# KiCad board Leonhart.kicad_pcb (continued)
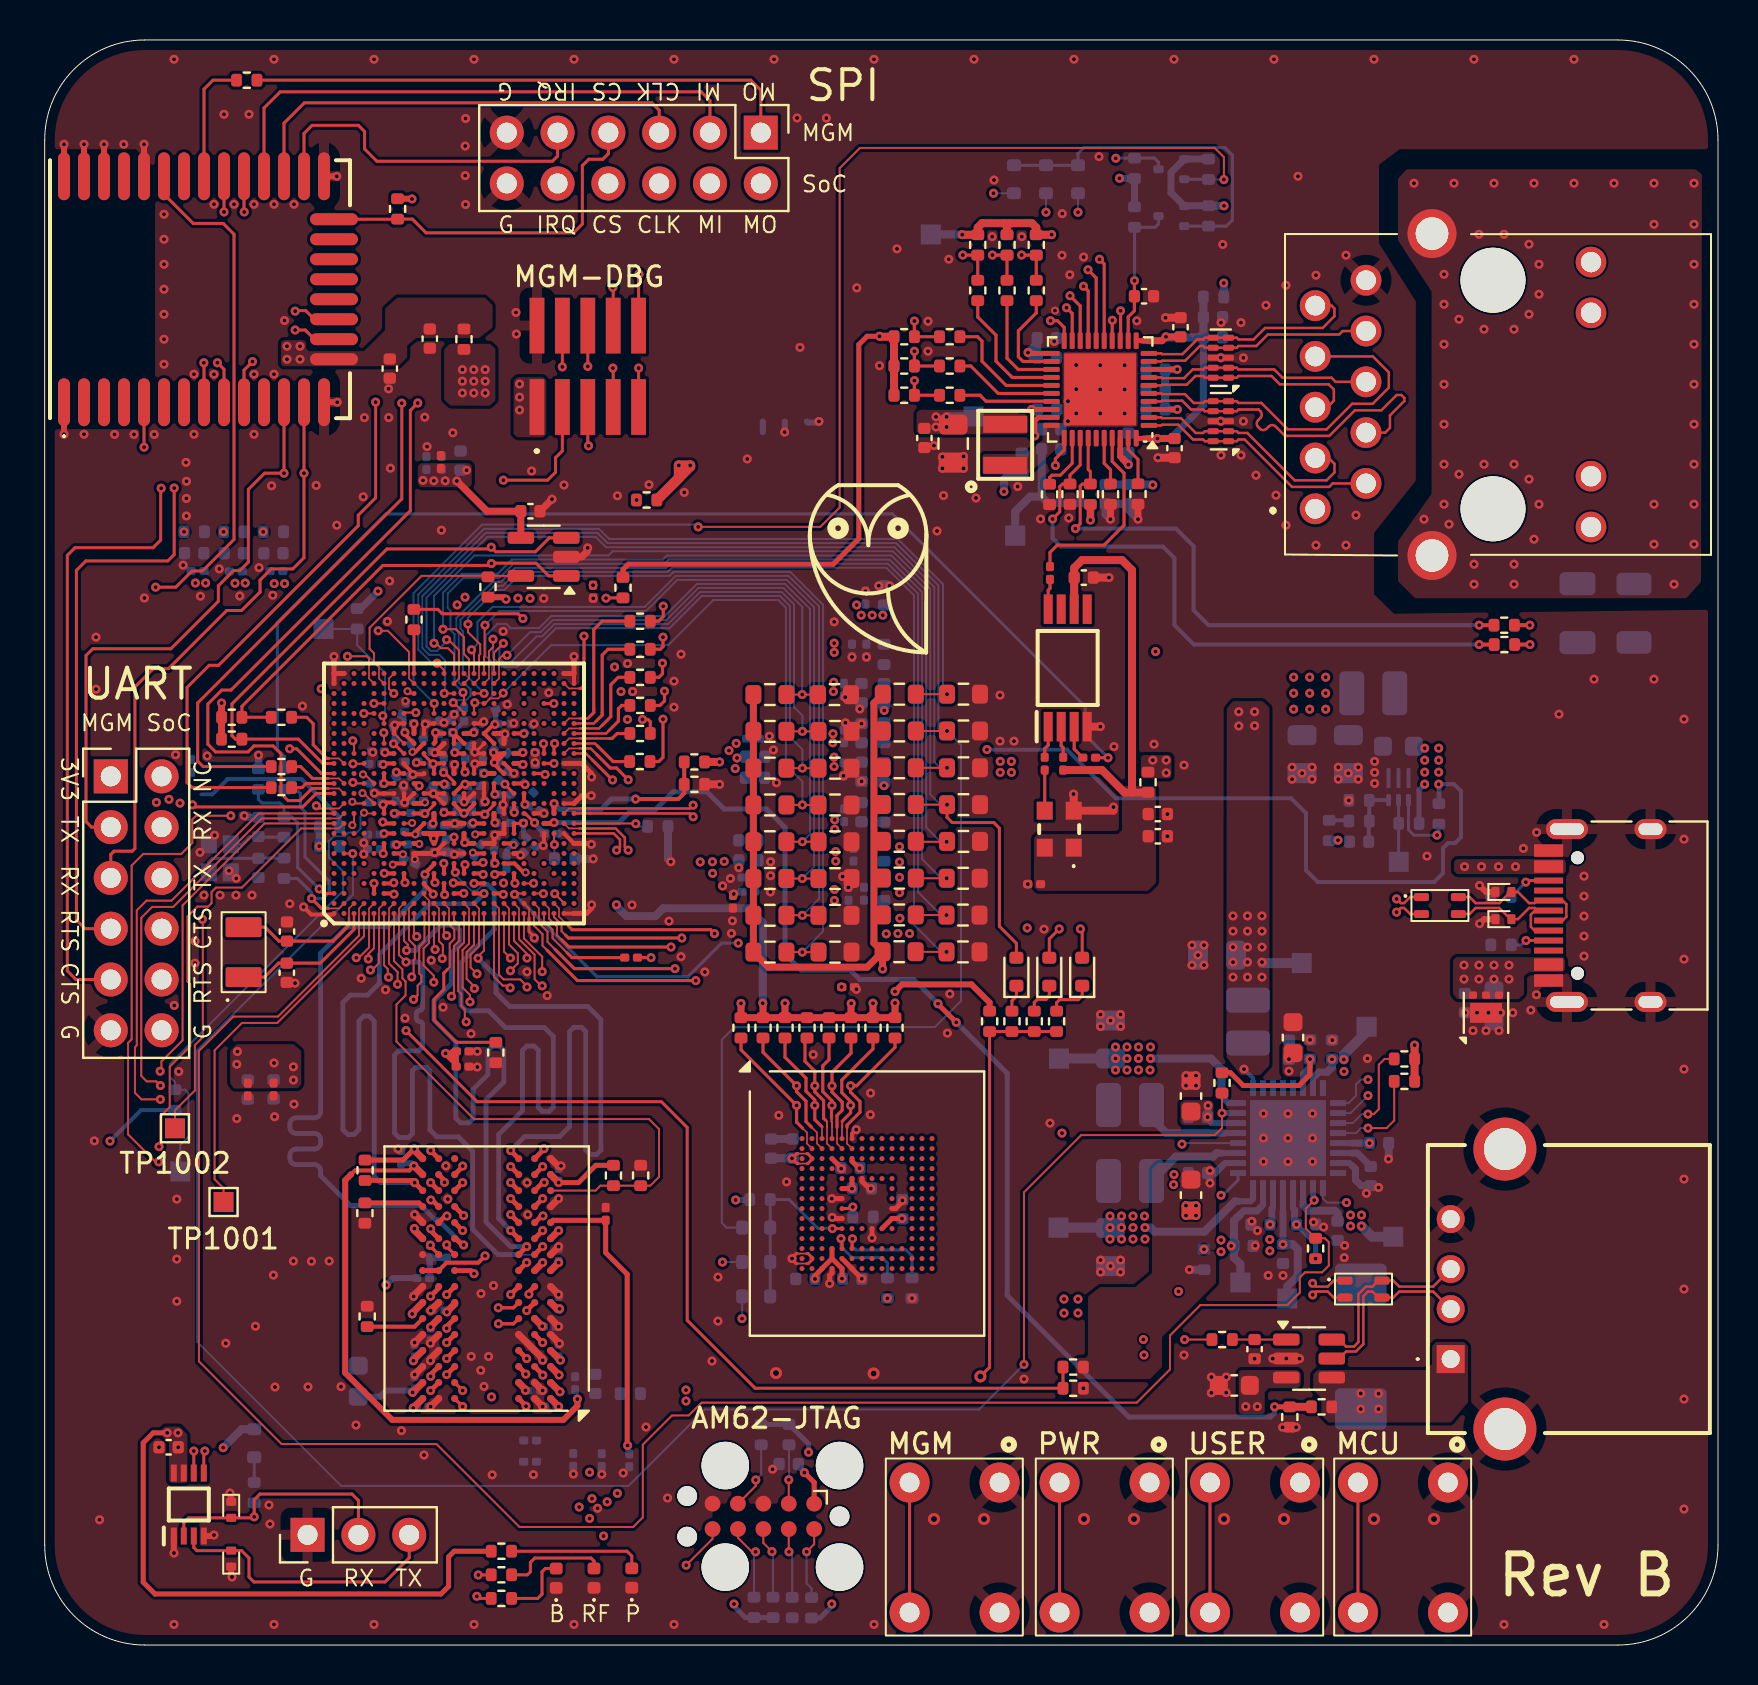
[diagram p0: board, top side]
## Placement (name value [footprint] x y rotation side) (continued)
R5006  4.7k  [R_0402_1005Metric]  42.97 62.5 180 bottom
R5007  4.7k  [R_0402_1005Metric]  42.97 63.96 180 bottom
R5008  22R  [R_0402_1005Metric]  45.25 65.43 0 top
R5009  22R  [R_0402_1005Metric]  46.65 67.74 270 top
R5010  22R  [R_0402_1005Metric]  48.11 67.74 270 top
R5011  22R  [R_0402_1005Metric]  49.58 67.74 270 top
R5012  22R  [R_0402_1005Metric]  45.25 62.5 0 top
R5013  22R  [R_0402_1005Metric]  45.25 63.96 0 top
R5014  22R  [R_0402_1005Metric]  29.77 49.8 0 top
R5015  22R  [R_0402_1005Metric]  29.77 51.2 0 top
R5016  22R  [R_0402_1005Metric]  29.75 44.18 0 top
R5017  22R  [R_0402_1005Metric]  29.77 45.58 0 top
R5018  22R  [R_0402_1005Metric]  29.77 46.99 0 top
R5019  22R  [R_0402_1005Metric]  29.77 48.39 0 top
R5020  4.7k  [R_0402_1005Metric]  50.24 57.54 90 top
R5021  0R  [R_0402_1005Metric]  53.29 57.55 90 top
R5022  4.7k  [R_0402_1005Metric]  52.28 57.55 270 top
R5023  2.49k  [R_0402_1005Metric]  54.66 57.56 270 top
R5024  4.7k  [R_0402_1005Metric]  51.26 57.55 270 top
R5026  510R  [R_0402_1005Metric]  72.97 51 0 top
R5027  1M  [R_1206_3216Metric]  79.46 51.6 270 bottom
R5028  10k  [R_0402_1005Metric]  58.19 71.47 270 bottom
R5029  10k  [R_0402_1005Metric]  54.49 71.41 270 bottom
R5030  10k  [R_0402_1005Metric]  58.19 73.8 270 bottom
R5031  10k  [R_0402_1005Metric]  54.49 73.85 90 bottom
R5032  R  [R_0402_1005Metric]  48.11 70.02 270 top  (not fitted)
R5033  R  [R_0402_1005Metric]  42.97 62.5 0 top  (not fitted)
R5034  R  [R_0402_1005Metric]  42.97 63.96 0 top  (not fitted)
R5035  4.7k  [R_0402_1005Metric]  49.58 70.02 90 bottom
R5036  4.7k  [R_0402_1005Metric]  46.65 70.02 90 bottom
R5037  R  [R_0402_1005Metric]  42.97 65.43 180 bottom  (not fitted)
R5039  510R  [R_0402_1005Metric]  72.98 50.03 0 top
R6001  22R  [R_0201_0603Metric]  29.32 34.38 0 top
R6002  10k  [R_0402_1005Metric]  32.48 43.04 180 top
R6003  20k  [R_0402_1005Metric]  32.48 44.16 0 top
R6004  49.9k  [R_0402_1005Metric]  42.51 30.87 270 top
R6005  49.9k  [R_0402_1005Metric]  40.31 30.87 270 top
R6006  49.9k  [R_0402_1005Metric]  38.11 30.87 270 top
R6007  49.9k  [R_0402_1005Metric]  35.91 30.87 270 top
R6008  49.9k  [R_0402_1005Metric]  34.81 30.87 270 top
R6009  49.9k  [R_0402_1005Metric]  41.41 30.87 270 top
R6010  49.9k  [R_0402_1005Metric]  39.21 30.87 270 top
R6011  49.9k  [R_0402_1005Metric]  37.01 30.87 270 top
R6012  49.9k  [R_0402_1005Metric]  42.13 17.84 90 bottom
R6013  49.9k  [R_0402_1005Metric]  35.76 22.28 0 bottom
R6015  499R  [R_0402_1005Metric]  30.65 40.94 180 bottom
R6016  5.1k  [R_0402_1005Metric]  72.81 35.01 180 bottom
R6017  5.1k  [R_0402_1005Metric]  72.81 37.43 180 bottom
R6018  499R  [R_0402_1005Metric]  25.99 39.31 180 bottom
R6019  49.9k  [R_0402_1005Metric]  43.36 17.85 90 bottom
R6020  10k  [R_0402_1005Metric]  40.91 21.41 180 bottom
R6021  20k  [R_0402_1005Metric]  63.84 11.91 0 top
R6022  10k  [R_0402_1005Metric]  62.25 11.4 90 top
R6023  1k  [R_0402_1005Metric]  58.87 15.28 0 top
R7001  2.2k  [R_0402_1005Metric]  22.83 4.69 0 top
R7002  2.2k  [R_0402_1005Metric]  22.83 3.51 0 top
R7003  2.2k  [R_0402_1005Metric]  22.83 2.33 0 top
SW7001  SW_MEC_5E  [1825910-6]  53 4.88 270 top
SW7002  SW_MEC_5E  [1825910-6]  67.92 4.88 270 top
SW7003  SW_MEC_5E  [1825910-6]  60.52 4.88 270 top
SW7004  SW_MEC_5E  [1825910-6]  45.5 4.88 270 top
TP1001  TestPoint  [TestPoint_Pad_1.0x1.0mm]  8.94 22.15 0 top
TP1002  TestPoint  [TestPoint_Pad_1.0x1.0mm]  6.51 25.84 0 top
TP1003  TestPoint  [TestPoint_Pad_1.0x1.0mm]  6.78 23.68 180 bottom
TP1004  TestPoint  [TestPoint_Pad_1.0x1.0mm]  13.94 50.81 180 bottom
U1001  LMK1C1102PWR  [SOP65P640X120-8N]  51.15 48.86 90 top
U1002  AM6231ASGGGAALW  [BGA425C50P25X25_1300X1300X89]  20.46 42.59 90 top
U1003  SN74LVC2G241DCUR  [SOP50P310X90-8N]  7.2 7.03 90 top
U1004  AT24C32D-STUM-T  [SOT-23-5]  24.95 54.42 180 top
U2001  -  [MGM240PB32VNA3]  7.76 67.8 90 top
U2002  Mini_Simplicity_Connector_(10_pin_1.27mm)  [FTSH10501LDVK]  27.15 61.91 0 top
U3001  TPS6521903RHBR  [QFN50P500X500X100-33N-D]  62.16 25.35 270 bottom
U3002  -  [TLV62595DMQR]  67.69 42.95 90 bottom
U4001  K4AAG165WA-BCWE  [FBGA-96_9x13mm_Layout9x16_P0.8mm]  22.1 18.33 180 top
U5001  -  [HR911130A]  72.32 62.54 270 top
U5002  RTL8211F-CG  [QFN-40-1EP_5x5mm_P0.4mm_EP3.6x3.6mm]  52.77 62.79 180 top
U5003  TPD4E05U06DQA  [USON-10_2.5x1.0mm_P0.5mm]  58.8 64.38 180 top
U5004  TPD4E05U06DQA  [USON-10_2.5x1.0mm_P0.5mm]  58.8 61.2 180 top
U6001  TVS0500DRVR  [WSON-6-1EP_2x2mm_P0.65mm_EP1x1.6mm]  72.06 31.61 90 top
U6002  SDINBDG4-16G  [LFBGA-153_11.5x13mm_Layout14x14_P0.5mm]  41.11 22.08 0 top
U6003  TPD3S014  [SOT-23-6]  63.22 14.33 0 top
VDD_1V2  TestPoint  [TestPoint_Pad_1.0x1.0mm]  50.69 20.88 270 bottom
VDD_1V8  TestPoint  [TestPoint_Pad_1.0x1.0mm]  50.71 29.33 270 bottom
VDD_2V5  TestPoint  [TestPoint_Pad_1.0x1.0mm]  59.78 18.13 0 bottom
VDD_CORE  TestPoint  [TestPoint_Pad_1.0x1.0mm]  62.85 34.1 180 bottom
VDD_SD  TestPoint  [TestPoint_Pad_1.0x1.0mm]  66.09 30.92 180 bottom
VDDA_1V8  TestPoint  [TestPoint_Pad_1.0x1.0mm]  62.13 17.33 0 bottom
VDDR_CORE  TestPoint  [TestPoint_Pad_1.0x1.0mm]  67.43 20.42 90 bottom
X1001  ECS-2520MV-250-CN-TR  [ECS2520MV250CNTR]  50.72 40.8 90 top
X1002  25MHz  [Crystal_SMD_2016-4Pin_2.0x1.6mm]  8.75 39.34 270 bottom
X1003  32.768kHz  [FC-135R 32.7680KA-A3]  9.94 34.65 90 top

## Library data of the parts
1V0_ETH 1V8_ETH 3V3_ETH 3V3_PG TP1001-TP1004 VDD_1V2 VDD_1V8 VDD_2V5 VDD_CORE VDD_SD VDDA_1V8 VDDR_CORE = -: Description: test point; ki_fp_filters: Pin* Test*
C1001 C3092 C3095 C3098 C3101 C3104 C3107 C3110 C3113 C3116 C3119 C4004 C4006-C4017 = -: Description: Unpolarized capacitor; JLCPCB Part#: C272853; ki_fp_filters: C_*
C1002 C2001 C3108 C3111 C6004 = -: Description: Unpolarized capacitor; JLCPCB Part#: C106254; ki_fp_filters: C_*
C1003 C1004 C1009-C1011 C2002 C3002 C3005 C3008 C5001 C5002 C5004 C5007-C5010 C5013 C5015 C5017 C5019 C5020 C6003 C6007 C6008 C6011 = -: Description: Unpolarized capacitor; JLCPCB Part#: C60474; ki_fp_filters: C_*
C1005 C1006 = -: Description: Unpolarized capacitor; JLCPCB Part#: C88878; ki_fp_filters: C_*
C1007 C1008 = -: Description: Unpolarized capacitor; JLCPCB Part#: C107000; ki_fp_filters: C_*
C3001 C3004 C3007 C3019 C6006 C6010 = -: Description: Unpolarized capacitor; JLCPCB Part#: C19702; ki_fp_filters: C_*
C3003 C3006 C3009 = -: Description: Unpolarized capacitor; JLCPCB Part#: C109461; ki_fp_filters: C_*
C3010 C3011 C3013-C3018 C4001 C6009 = -: Description: Unpolarized capacitor; JLCPCB Part#: C326606; ki_fp_filters: C_*
C3012 C3033 C3052 C3061 C3073 C3083 C3090 C3096 C3099 C3105 C3114 C5003 C5014 C5016 C6001 C6005 = -: Description: Unpolarized capacitor; JLCPCB Part#: C106859; ki_fp_filters: C_*
C3020 = -: Description: Unpolarized capacitor; JLCPCB Part#: C161146; ki_fp_filters: C_*
C3021 C3022 = -: Description: Unpolarized capacitor; JLCPCB Part#: C784585; ki_fp_filters: C_*
C3023-C3031 C3034 C3062 C3070 C3074 C3084 C3093 C3102 C3117 C3124 = -: Description: Unpolarized capacitor; JLCPCB Part#: C272877; ki_fp_filters: C_*
C3032 C3051 C3082 = -: Description: Unpolarized capacitor; JLCPCB Part#: C962143; ki_fp_filters: C_*
C3035-C3049 C3053-C3060 C3063-C3069 C3071 C3072 C3075-C3081 C3085-C3089 C3091 C3094 C3097 C3100 C3103 C3106 C3109 C3112 C3115 C3118 C3120-C3123 C4002 C4003 C4018-C4021 = -: Description: Unpolarized capacitor; JLCPCB Part#: C190183; ki_fp_filters: C_*
C4005 = -: Description: Unpolarized capacitor; JLCPCB Part#: C84419; ki_fp_filters: C_*
C5005 C5006 = -: Description: Unpolarized capacitor; ki_fp_filters: C_*
C5018 = -: Description: Unpolarized capacitor; JLCPCB Part#: C1779; ki_fp_filters: C_*
C5021 = -: Description: Unpolarized capacitor; JLCPCB Part#: C23631; ki_fp_filters: C_*
C6002 = -: Description: Unpolarized capacitor; JLCPCB Part#: C326836; ki_fp_filters: C_*
C6012 = -: Description: Polarized capacitor; JLCPCB Part#: C122324; ki_fp_filters: CP_*
D1001-D1004 D5001-D5003 D6003-D6005 = -: Description: Diode; Sim.Pins: 1=K 2=A; JLCPCB Part#: C154821; ki_fp_filters: TO-???* *_Diode_* *SingleDiode* D_*
D1005 D1006 D6001 D6002 = -: Description: Bidirectional transient-voltage-suppression diode; JLCPCB Part#: C779408; ki_fp_filters: TO-???* *_Diode_* *SingleDiode* D_*
D7001 = -: Description: Light emitting diode; Sim.Pins: 1=K 2=A; JLCPCB Part#: C165980; ki_fp_filters: LED* LED_SMD:* LED_THT:*
D7002 = -: Description: Light emitting diode; Sim.Pins: 1=K 2=A; JLCPCB Part#: C165979; ki_fp_filters: LED* LED_SMD:* LED_THT:*
D7003 = -: Description: Light emitting diode; Sim.Pins: 1=K 2=A; JLCPCB Part#: C165977; ki_fp_filters: LED* LED_SMD:* LED_THT:*
FB1001 FB2001 FB3001-FB3011 FB5001 FB5003 = -: Description: Ferrite bead; JLCPCB Part#: C76891; ki_fp_filters: Inductor_* L_* *Ferrite*
FB4001 = -: Description: Ferrite bead; Part: BLM15PX121SN1D; JLCPCB Part#: C76891; ki_fp_filters: Inductor_* L_* *Ferrite*
J1002 = -: Datasheet: https://www.tag-connect.com/wp-content/uploads/bsk-pdf-manager/TC2050-IDC-NL_Datasheet_8.pdf; Description: Tag-Connect’s 10-pins connector; ki_fp_filters: *TC2050*
J1003 = -: Description: Generic connector, single row, 01x03, script generated; JLCPCB Part#: C49257; ki_fp_filters: Connector*:*_1x??_*
J2001 J2004 = -: Description: Generic connector, double row, 02x06, odd/even pin numbering scheme (row 1 odd numbers, row 2 even numbers), script generated (kicad-library-utils/schlib/autogen/connector/); ki_fp_filters: Connector*:*_2x??_*
J6001 = -: Datasheet: https://www.usb.org/sites/default/files/documents/usb_type-c.zip; Description: USB 2.0-only 16P Type-C Receptacle connector; JLCPCB Part#: C165948; ki_fp_filters: USB*C*Receptacle*
J6002 = -: Description: USB Type A connector; JLCPCB Part#: C46407; ki_fp_filters: USB*
L3001-L3004 = -: Description: Inductor; JLCPCB Part#: C237552; ki_fp_filters: Choke_* *Coil* Inductor_* L_*
L5001 = -: Description: Inductor; JLCPCB Part#: C391305; ki_fp_filters: Choke_* *Coil* Inductor_* L_*
L6001 L6002 = -: JLCPCB Part#: C2651125
Q5001 Q5002 = -: Datasheet: https://www.diodes.com/assets/Datasheets/ds31783.pdf; Description: 20V Vds, 0.63 Id, N-Channel MOSFET with ESD protection, SOT-523; JLCPCB Part#: C20512; ki_fp_filters: SOT?523*
R1001 R1018 R1019 R1054-R1061 R2002 R3003-R3007 R3009-R3011 R4005 R5028-R5031 R6002 R6020 R6022 = -: Description: Resistor; JLCPCB Part#: C60490; ki_fp_filters: R_*
R1002 R1003 R1005 R1009 R1010 R1012 R1013 R1015 R1029 R1031-R1033 R1036 R1039 R1041 R1042 R1047 R1052 R3008 R4003 R5001 R5002 R5021 R5032-R5034 R5037 = -: Description: Resistor; ki_fp_filters: R_*
R1004 R1006-R1008 R1011 R1014 R1016 R1017 R1027 R1028 R1030 R1034 R1035 R1037 R1038 R1040 = -: Description: Resistor; JLCPCB Part#: C98220; ki_fp_filters: R_*
R1020 = -: Description: Resistor; JLCPCB Part#: C106225; ki_fp_filters: R_*
R1021-R1023 R6001 = -: Description: Resistor; JLCPCB Part#: C155743; ki_fp_filters: R_*
R1024-R1026 R4008 R6023 = -: Description: Resistor; JLCPCB Part#: C106235; ki_fp_filters: R_*
R1043 R1044 R4004 R7001-R7003 = -: Description: Resistor; JLCPCB Part#: C114762; ki_fp_filters: R_*
R1045 R1053 = -: Description: Resistor; JLCPCB Part#: C106231; ki_fp_filters: R_*
R1046 R1049 R1051 R2001 R5008-R5019 = -: Description: Resistor; JLCPCB Part#: C114765; ki_fp_filters: R_*
R1048 = -: Description: Resistor; JLCPCB Part#: C114877; ki_fp_filters: R_*
R3001 R3014 = -: Description: Resistor; JLCPCB Part#: C60491; ki_fp_filters: R_*
R3002 = -: Description: Resistor; JLCPCB Part#: C138063; ki_fp_filters: R_*
R3012 = -: Description: Resistor; JLCPCB Part#: C163475; ki_fp_filters: R_*
R3013 = -: Description: Resistor; JLCPCB Part#: C138046; ki_fp_filters: R_*
R4001 R4002 = -: Description: Resistor; JLCPCB Part#: C295794; ki_fp_filters: R_*
R4006 R4007 = -: Description: Resistor; JLCPCB Part#: C114755; ki_fp_filters: R_*
R4009 R4010 = -: Description: Resistor; JLCPCB Part#: C138165; ki_fp_filters: R_*
R5003 R5005-R5007 R5020 R5022 R5024 R5035 R5036 = -: Description: Resistor; JLCPCB Part#: C105871; ki_fp_filters: R_*
R5004 = -: Description: Resistor; JLCPCB Part#: C114759; ki_fp_filters: R_*
R5023 = -: Description: Resistor; JLCPCB Part#: C145071; ki_fp_filters: R_*
R5026 R5039 = -: Description: Resistor; JLCPCB Part#: C276273; ki_fp_filters: R_*
R5027 = -: Description: Resistor; JLCPCB Part#: C108083; ki_fp_filters: R_*
R6003 R6021 = -: Description: Resistor; JLCPCB Part#: C93942; ki_fp_filters: R_*
R6004-R6013 R6019 = -: Description: Resistor; JLCPCB Part#: C137969; ki_fp_filters: R_*
R6015 R6018 = -: Description: Resistor; JLCPCB Part#: C137970; ki_fp_filters: R_*
R6016 R6017 = -: Description: Resistor; JLCPCB Part#: C105872; ki_fp_filters: R_*
SW7001-SW7004 = -: Datasheet: http://www.apem.com/int/index.php?controller=attachment&id_attachment=1371; Description: MEC 5E single pole normally-open tactile switch; JLCPCB Part#: C428628; ki_fp_filters: SW*MEC*5G*
U1001 = -: JLCPCB Part#: C2859546
U1002 = -: JLCPCB Part#: C7072556
U1003 = -: JLCPCB Part#: C10430
U1004 = -: JLCPCB Part#: C2061176
U2001 = -: JLCPCB Part#: C20441846
U3001 = -: JLCPCB Part#: C18716455
U3002 = -: JLCPCB Part#: C3189969
U4001 = -: JLCPCB Part#: C2920140
U5001 = -: JLCPCB Part#: C54408
U5002 = -: JLCPCB Part#: C187932
U5003 U5004 = -: Datasheet: https://www.ti.com/lit/ds/symlink/tpd4e05u06.pdf; Description: 4-Channel ESD Protection for Super-Speed USB 3.0 Interface, USON-10; JLCPCB Part#: C138714; ki_fp_filters: USON*2.5x1.0mm*P0.5mm*
U6001 = -: JLCPCB Part#: C609571
U6002 = -: JLCPCB Part#: C2830396
U6003 = -: Datasheet: http://www.ti.com/lit/ds/symlink/tpd3s014.pdf; Description: Current Limit Switch and D+/D– ESD Protection for USB Host Port, 0.5A, SOT-23-6; JLCPCB Part#: C87384; ki_fp_filters: SOT?23*
X1001 = -: JLCPCB Part#: C405464
X1002 = -: Description: Four pin crystal, GND on pins 2 and 4; JLCPCB Part#: C127893; ki_fp_filters: Crystal*
X1003 = -: Description: Two pin crystal; JLCPCB Part#: C6554955; ki_fp_filters: Crystal*

## Footprints (pads in the part's own frame, mm; a bottom-side part is the same pattern mirrored in y, then rotated)
0201_Cap_Leonhart
  rrect 0.318x0.36 smd: (-0.345,-0.05) (0.345,-0.05)
  rrect 0.46x0.4 smd: 1(-0.32,-0.05) 2(0.32,-0.05)
0201_Cap_Leonhart#2
  rrect 0.318x0.36 smd: (-0.345,-0.05) (0.345,-0.05)
  rrect 0.46x0.4 smd: 1(-0.32,-0.05) 2(0.32,-0.05)
0201_Cap_Leonhart#3
  rrect 0.318x0.36 smd: (-0.345,-0.05) (0.345,-0.05)
  rrect 0.46x0.4 smd: 1(-0.32,-0.05) 2(0.32,-0.05)
0201_Cap_Leonhart#4
  rrect 0.318x0.36 smd: (-0.345,-0.05) (0.345,-0.05)
  rrect 0.46x0.4 smd: 1(-0.32,-0.05) 2(0.32,-0.05)
902131A1011D10100
  rect 1.4x1.4 hole 0.9: 1(0,0)
  round 1.4 hole 0.9: 2(2.5,0) 3(4.5,0) 4(7,0)
  round 3.15 hole 2.1: 5(-3.5,-2.71) 6(10.5,-2.71)
1825910-6
  round 2 hole 0.99: 1(-3.25,2.24) 2(3.25,2.24) 3(-3.25,-2.26) 4(3.25,-2.26)
BGA425C50P25X25_1300X1300X89
  round 0.25 smd: A1(-6,6) A2(-5.5,6) A3(-5,6) A4(-4.5,6) A5(-4,6) A6(-3.5,6) A7(-3,6) A8(-2.5,6) A9(-2,6) A10(-1.5,6) A11(-1,6) A12(-0.5,6) A13(0,6) A14(0.5,6) A15(1,6) A16(1.5,6) A17(2,6) A18(2.5,6) A19(3,6) A20(3.5,6) A21(4,6) A22(4.5,6) A23(5,6) A24(5.5,6) A25(6,6) AA1(-6,-4) AA2(-5.5,-4) AA3(-5,-4) AA5(-4,-4) AA7(-3,-4) AA8(-2.5,-4) AA11(-1,-4) AA12(-0.5,-4) AA14(0.5,-4) AA15(1,-4) AA18(2.5,-4) AA19(3,-4) AA21(4,-4) AA23(5,-4) AA24(5.5,-4) AA25(6,-4) AB1(-6,-4.5) AB2(-5.5,-4.5) AB4(-4.5,-4.5) AB6(-3.5,-4.5) AB9(-2,-4.5) AB10(-1.5,-4.5) AB12(-0.5,-4.5) AB14(0.5,-4.5) AB16(1.5,-4.5) AB17(2,-4.5) AB20(3.5,-4.5) AB22(4.5,-4.5) AB24(5.5,-4.5) AB25(6,-4.5) AC1(-6,-5) AC2(-5.5,-5) AC5(-4,-5) AC6(-3.5,-5) AC9(-2,-5) AC11(-1,-5) AC13(0,-5) AC15(1,-5) AC17(2,-5) AC20(3.5,-5) AC21(4,-5) AC24(5.5,-5) AC25(6,-5) AD1(-6,-5.5) AD2(-5.5,-5.5) AD3(-5,-5.5) AD4(-4.5,-5.5) AD5(-4,-5.5) AD6(-3.5,-5.5) AD7(-3,-5.5) AD8(-2.5,-5.5) AD9(-2,-5.5) AD10(-1.5,-5.5) AD11(-1,-5.5) AD12(-0.5,-5.5) AD13(0,-5.5) AD14(0.5,-5.5) AD15(1,-5.5) AD16(1.5,-5.5) AD17(2,-5.5) AD18(2.5,-5.5) AD19(3,-5.5) AD20(3.5,-5.5) AD21(4,-5.5) AD22(4.5,-5.5) AD23(5,-5.5) AD24(5.5,-5.5) AD25(6,-5.5) AE1(-6,-6) AE2(-5.5,-6) AE3(-5,-6) AE4(-4.5,-6) AE5(-4,-6) AE6(-3.5,-6) AE7(-3,-6) AE8(-2.5,-6) AE9(-2,-6) AE10(-1.5,-6) AE11(-1,-6) AE12(-0.5,-6) AE13(0,-6) AE14(0.5,-6) AE15(1,-6) AE16(1.5,-6) AE17(2,-6) AE18(2.5,-6) AE19(3,-6) AE20(3.5,-6) AE21(4,-6) AE22(4.5,-6) AE23(5,-6) AE24(5.5,-6) AE25(6,-6) B1(-6,5.5) B2(-5.5,5.5) B3(-5,5.5) B4(-4.5,5.5) B5(-4,5.5) B6(-3.5,5.5) B7(-3,5.5) B8(-2.5,5.5) B9(-2,5.5) B10(-1.5,5.5) B11(-1,5.5) B12(-0.5,5.5) B13(0,5.5) B14(0.5,5.5) B15(1,5.5) B16(1.5,5.5) B17(2,5.5) B18(2.5,5.5) B19(3,5.5) B20(3.5,5.5) B21(4,5.5) B22(4.5,5.5) B23(5,5.5) B24(5.5,5.5) B25(6,5.5) C1(-6,5) C2(-5.5,5) C5(-4,5) C6(-3.5,5) C9(-2,5) C11(-1,5) C13(0,5) C15(1,5) C17(2,5) C20(3.5,5) C21(4,5) C24(5.5,5) C25(6,5) D1(-6,4.5) D2(-5.5,4.5) D4(-4.5,4.5) D6(-3.5,4.5) D9(-2,4.5) D10(-1.5,4.5) D12(-0.5,4.5) D14(0.5,4.5) D16(1.5,4.5) D17(2,4.5) D20(3.5,4.5) D22(4.5,4.5) D24(5.5,4.5) D25(6,4.5) E1(-6,4) E2(-5.5,4) E3(-5,4) E5(-4,4) E7(-3,4) E8(-2.5,4) E11(-1,4) E12(-0.5,4) E14(0.5,4) E15(1,4) E18(2.5,4) E19(3,4) E21(4,4) E23(5,4) E24(5.5,4) E25(6,4) F1(-6,3.5) F2(-5.5,3.5) F3(-5,3.5) F4(-4.5,3.5) F6(-3.5,3.5) F8(-2.5,3.5) F11(-1,3.5) F13(0,3.5) F15(1,3.5) F18(2.5,3.5) F20(3.5,3.5) F22(4.5,3.5) F23(5,3.5) F24(5.5,3.5) F25(6,3.5) G1(-6,3) G2(-5.5,3) G5(-4,3) G7(-3,3) G9(-2,3) G10(-1.5,3) G12(-0.5,3) G13(0,3) G14(0.5,3) G16(1.5,3) G17(2,3) G19(3,3) G21(4,3) G24(5.5,3) G25(6,3) H1(-6,2.5) H2(-5.5,2.5) H5(-4,2.5) H6(-3.5,2.5) H8(-2.5,2.5) H9(-2,2.5) H10(-1.5,2.5) H11(-1,2.5) H13(0,2.5) H15(1,2.5) H16(1.5,2.5) H17(2,2.5) H18(2.5,2.5) H20(3.5,2.5) H21(4,2.5) H24(5.5,2.5) H25(6,2.5) J1(-6,2) J2(-5.5,2) J3(-5,2) J4(-4.5,2) J7(-3,2) J8(-2.5,2) J11(-1,2) J12(-0.5,2) J13(0,2) J14(0.5,2) J18(2.5,2) J19(3,2) J22(4.5,2) J23(5,2) J24(5.5,2) J25(6,2) K1(-6,1.5) K2(-5.5,1.5) K3(-5,1.5) K4(-4.5,1.5) K7(-3,1.5) K9(-2,1.5) K10(-1.5,1.5) K13(0,1.5) K15(1,1.5) K16(1.5,1.5) K17(2,1.5) K18(2.5,1.5) K19(3,1.5) K22(4.5,1.5) K24(5.5,1.5) K25(6,1.5) L1(-6,1) L2(-5.5,1) L5(-4,1) L6(-3.5,1) L8(-2.5,1) L11(-1,1) L12(-0.5,1) L14(0.5,1) L15(1,1) L18(2.5,1) L20(3.5,1) L21(4,1) L23(5,1) L24(5.5,1) L25(6,1) M1(-6,0.5) M2(-5.5,0.5) M4(-4.5,0.5) M5(-4,0.5) M7(-3,0.5) M8(-2.5,0.5) M9(-2,0.5) M10(-1.5,0.5) M12(-0.5,0.5) M13(0,0.5) M16(1.5,0.5) M17(2,0.5) M18(2.5,0.5) M19(3,0.5) M21(4,0.5) M22(4.5,0.5) M24(5.5,0.5) M25(6,0.5) N1(-6,0) N2(-5.5,0) N3(-5,0) N6(-3.5,0) N8(-2.5,0) N11(-1,0) N12(-0.5,0) N13(0,0) N14(0.5,0) N15(1,0) N18(2.5,0) N20(3.5,0) N23(5,0) N24(5.5,0) N25(6,0) P1(-6,-0.5) P2(-5.5,-0.5) P4(-4.5,-0.5) P5(-4,-0.5) P7(-3,-0.5) P9(-2,-0.5) P10(-1.5,-0.5) P13(0,-0.5) P16(1.5,-0.5) P17(2,-0.5) P18(2.5,-0.5) P19(3,-0.5) P21(4,-0.5) P22(4.5,-0.5) P24(5.5,-0.5) P25(6,-0.5) R1(-6,-1) R2(-5.5,-1) R3(-5,-1) R5(-4,-1) R6(-3.5,-1) R8(-2.5,-1) R11(-1,-1) R12(-0.5,-1) R13(0,-1) R14(0.5,-1) R15(1,-1) R18(2.5,-1) R20(3.5,-1) R21(4,-1) R23(5,-1) R24(5.5,-1) R25(6,-1) T1(-6,-1.5) T2(-5.5,-1.5) T4(-4.5,-1.5) T7(-3,-1.5) T8(-2.5,-1.5) T9(-2,-1.5) T10(-1.5,-1.5) T13(0,-1.5) T14(0.5,-1.5) T16(1.5,-1.5) T17(2,-1.5) T18(2.5,-1.5) T19(3,-1.5) T22(4.5,-1.5) T24(5.5,-1.5) T25(6,-1.5) U1(-6,-2) U2(-5.5,-2) U3(-5,-2) U4(-4.5,-2) U7(-3,-2) U8(-2.5,-2) U11(-1,-2) U12(-0.5,-2) U14(0.5,-2) U15(1,-2) U18(2.5,-2) U19(3,-2) U22(4.5,-2) U23(5,-2) U24(5.5,-2) U25(6,-2) V1(-6,-2.5) V2(-5.5,-2.5) V5(-4,-2.5) V6(-3.5,-2.5) V8(-2.5,-2.5) V9(-2,-2.5) V10(-1.5,-2.5) V11(-1,-2.5) V13(0,-2.5) V15(1,-2.5) V16(1.5,-2.5) V17(2,-2.5) V18(2.5,-2.5) V20(3.5,-2.5) V21(4,-2.5) V24(5.5,-2.5) V25(6,-2.5) W1(-6,-3) W2(-5.5,-3) W5(-4,-3) W7(-3,-3) W9(-2,-3) W10(-1.5,-3) W12(-0.5,-3) W13(0,-3) W14(0.5,-3) W16(1.5,-3) W17(2,-3) W19(3,-3) W21(4,-3) W24(5.5,-3) W25(6,-3) Y1(-6,-3.5) Y2(-5.5,-3.5) Y3(-5,-3.5) Y4(-4.5,-3.5) Y6(-3.5,-3.5) Y8(-2.5,-3.5) Y11(-1,-3.5) Y13(0,-3.5) Y15(1,-3.5) Y18(2.5,-3.5) Y20(3.5,-3.5) Y22(4.5,-3.5) Y23(5,-3.5) Y24(5.5,-3.5) Y25(6,-3.5)
C_0201_0603Metric
  rrect 0.318x0.36 smd: (-0.345,0) (0.345,0)
  rrect 0.46x0.4 smd: 1(-0.32,0) 2(0.32,0)
C_0402_1005Metric
  rrect 0.56x0.62 smd: 1(-0.48,0) 2(0.48,0)
C_0603_1608Metric
  rrect 0.9x0.95 smd: 1(-0.775,0) 2(0.775,0)
C_0805_2012Metric
  rrect 1x1.45 smd: 1(-0.95,0) 2(0.95,0)
C_1206_3216Metric
  rrect 1.15x1.8 smd: 1(-1.475,0) 2(1.475,0)
CP_EIA-7343-31_Kemet-D
  rrect 2.07x2.59 smd: 1(-3.12,0) 2(3.12,0)
Crystal_SMD_2016-4Pin_2.0x1.6mm
  rect 0.9x0.8 smd: 1(-0.7,-0.55) 2(0.7,-0.55) 3(0.7,0.55) 4(-0.7,0.55)
D_SOD-523
  rrect 0.6x0.7 smd: 1(-0.7,0) 2(0.7,0)
DFE2HCAH1R0MJ0L
  rect 0.85x2.2 smd: 1(-1.025,0) 2(1.025,0)
ECS2520MV250CNTR
  rect 0.9x0.8 smd: 1(-0.925,-0.725) 2(0.925,-0.725) 3(0.925,0.725) 4(-0.925,0.725)
FBGA-96_9x13mm_Layout9x16_P0.8mm
  round 0.36 smd: A1(-3.2,6) A2(-2.4,6) A3(-1.6,6) A7(1.6,6) A8(2.4,6) A9(3.2,6) B1(-3.2,5.2) B2(-2.4,5.2) B3(-1.6,5.2) B7(1.6,5.2) B8(2.4,5.2) B9(3.2,5.2) C1(-3.2,4.4) C2(-2.4,4.4) C3(-1.6,4.4) C7(1.6,4.4) C8(2.4,4.4) C9(3.2,4.4) D1(-3.2,3.6) D2(-2.4,3.6) D3(-1.6,3.6) D7(1.6,3.6) D8(2.4,3.6) D9(3.2,3.6) E1(-3.2,2.8) E2(-2.4,2.8) E3(-1.6,2.8) E7(1.6,2.8) E8(2.4,2.8) E9(3.2,2.8) F1(-3.2,2) F2(-2.4,2) F3(-1.6,2) F7(1.6,2) F8(2.4,2) F9(3.2,2) G1(-3.2,1.2) G2(-2.4,1.2) G3(-1.6,1.2) G7(1.6,1.2) G8(2.4,1.2) G9(3.2,1.2) H1(-3.2,0.4) H2(-2.4,0.4) H3(-1.6,0.4) H7(1.6,0.4) H8(2.4,0.4) H9(3.2,0.4) J1(-3.2,-0.4) J2(-2.4,-0.4) J3(-1.6,-0.4) J7(1.6,-0.4) J8(2.4,-0.4) J9(3.2,-0.4) K1(-3.2,-1.2) K2(-2.4,-1.2) K3(-1.6,-1.2) K7(1.6,-1.2) K8(2.4,-1.2) K9(3.2,-1.2) L1(-3.2,-2) L2(-2.4,-2) L3(-1.6,-2) L7(1.6,-2) L8(2.4,-2) L9(3.2,-2) M1(-3.2,-2.8) M2(-2.4,-2.8) M3(-1.6,-2.8) M7(1.6,-2.8) M8(2.4,-2.8) M9(3.2,-2.8) N1(-3.2,-3.6) N2(-2.4,-3.6) N3(-1.6,-3.6) N7(1.6,-3.6) N8(2.4,-3.6) N9(3.2,-3.6) P1(-3.2,-4.4) P2(-2.4,-4.4) P3(-1.6,-4.4) P7(1.6,-4.4) P8(2.4,-4.4) P9(3.2,-4.4) R1(-3.2,-5.2) R2(-2.4,-5.2) R3(-1.6,-5.2) R7(1.6,-5.2) R8(2.4,-5.2) R9(3.2,-5.2) T1(-3.2,-6) T2(-2.4,-6) T3(-1.6,-6) T7(1.6,-6) T8(2.4,-6) T9(3.2,-6)
FC-135R 32.7680KA-A3
  rrect 1x1.8 smd: 1(-1.25,0) 2(1.25,0)
FTSH10501LDVK
  rect 0.74x2.79 smd: 1(-2.54,0) 2(-2.54,4.07) 3(-1.27,0) 4(-1.27,4.07) 5(0,0) 6(0,4.07) 7(1.27,0) 8(1.27,4.07) 9(2.54,0) 10(2.54,4.07)
HR911130A
  round 3.25 hole 3.25 unplated: (-5.715,0.096) (5.715,0.096)
  round 1.54 hole 0.99: 1(5.715,-8.794) 2(4.445,-6.254) 3(3.175,-8.794) 4(1.905,-6.254) 5(0.635,-8.794) 6(-0.635,-6.254) 7(-1.905,-8.794) 8(-3.175,-6.254) 9(-4.445,-8.794) 10(-5.715,-6.254)
  round 1.53 hole 1.02: 11(-6.625,4.996) 12(-4.085,4.996) 13(4.085,4.996) 14(6.625,4.996)
  round 2.445 hole 1.63: 15(-8.05,-2.954) 16(8.05,-2.954)
L_1008_2520Metric
  rrect 1.25x2.2 smd: 1(-1.075,0) 2(1.075,0)
LED_0402_1005Metric
  rrect 0.59x0.64 smd: 1(-0.485,0) 2(0.485,0)
LFBGA-153_11.5x13mm_Layout14x14_P0.5mm
  round 0.25 smd: A1(-3.25,3.25) A2(-2.75,3.25) A3(-2.25,3.25) A4(-1.75,3.25) A5(-1.25,3.25) A6(-0.75,3.25) A7(-0.25,3.25) A8(0.25,3.25) A9(0.75,3.25) A10(1.25,3.25) A11(1.75,3.25) A12(2.25,3.25) A13(2.75,3.25) A14(3.25,3.25) B1(-3.25,2.75) B2(-2.75,2.75) B3(-2.25,2.75) B4(-1.75,2.75) B5(-1.25,2.75) B6(-0.75,2.75) B7(-0.25,2.75) B8(0.25,2.75) B9(0.75,2.75) B10(1.25,2.75) B11(1.75,2.75) B12(2.25,2.75) B13(2.75,2.75) B14(3.25,2.75) C1(-3.25,2.25) C2(-2.75,2.25) C3(-2.25,2.25) C4(-1.75,2.25) C5(-1.25,2.25) C6(-0.75,2.25) C7(-0.25,2.25) C8(0.25,2.25) C9(0.75,2.25) C10(1.25,2.25) C11(1.75,2.25) C12(2.25,2.25) C13(2.75,2.25) C14(3.25,2.25) D1(-3.25,1.75) D2(-2.75,1.75) D3(-2.25,1.75) D4(-1.75,1.75) D12(2.25,1.75) D13(2.75,1.75) D14(3.25,1.75) E1(-3.25,1.25) E2(-2.75,1.25) E3(-2.25,1.25) E5(-1.25,1.25) E6(-0.75,1.25) E7(-0.25,1.25) E8(0.25,1.25) E9(0.75,1.25) E10(1.25,1.25) E12(2.25,1.25) E13(2.75,1.25) E14(3.25,1.25) F1(-3.25,0.75) F2(-2.75,0.75) F3(-2.25,0.75) F5(-1.25,0.75) F10(1.25,0.75) F12(2.25,0.75) F13(2.75,0.75) F14(3.25,0.75) G1(-3.25,0.25) G2(-2.75,0.25) G3(-2.25,0.25) G5(-1.25,0.25) G10(1.25,0.25) G12(2.25,0.25) G13(2.75,0.25) G14(3.25,0.25) H1(-3.25,-0.25) H2(-2.75,-0.25) H3(-2.25,-0.25) H5(-1.25,-0.25) H10(1.25,-0.25) H12(2.25,-0.25) H13(2.75,-0.25) H14(3.25,-0.25) J1(-3.25,-0.75) J2(-2.75,-0.75) J3(-2.25,-0.75) J5(-1.25,-0.75) J10(1.25,-0.75) J12(2.25,-0.75) J13(2.75,-0.75) J14(3.25,-0.75) K1(-3.25,-1.25) K2(-2.75,-1.25) K3(-2.25,-1.25) K5(-1.25,-1.25) K6(-0.75,-1.25) K7(-0.25,-1.25) K8(0.25,-1.25) K9(0.75,-1.25) K10(1.25,-1.25) K12(2.25,-1.25) K13(2.75,-1.25) K14(3.25,-1.25) L1(-3.25,-1.75) L2(-2.75,-1.75) L3(-2.25,-1.75) L12(2.25,-1.75) L13(2.75,-1.75) L14(3.25,-1.75) M1(-3.25,-2.25) M2(-2.75,-2.25) M3(-2.25,-2.25) M4(-1.75,-2.25) M5(-1.25,-2.25) M6(-0.75,-2.25) M7(-0.25,-2.25) M8(0.25,-2.25) M9(0.75,-2.25) M10(1.25,-2.25) M11(1.75,-2.25) M12(2.25,-2.25) M13(2.75,-2.25) M14(3.25,-2.25) N1(-3.25,-2.75) N2(-2.75,-2.75) N3(-2.25,-2.75) N4(-1.75,-2.75) N5(-1.25,-2.75) N6(-0.75,-2.75) N7(-0.25,-2.75) N8(0.25,-2.75) N9(0.75,-2.75) N10(1.25,-2.75) N11(1.75,-2.75) N12(2.25,-2.75) N13(2.75,-2.75) N14(3.25,-2.75) P1(-3.25,-3.25) P2(-2.75,-3.25) P3(-2.25,-3.25) P4(-1.75,-3.25) P5(-1.25,-3.25) P6(-0.75,-3.25) P7(-0.25,-3.25) P8(0.25,-3.25) P9(0.75,-3.25) P10(1.25,-3.25) P11(1.75,-3.25) P12(2.25,-3.25) P13(2.75,-3.25) P14(3.25,-3.25)
MGM240PB32VNA3
  oval 2.4x0.6 smd: 1(-5.65,6.8) 2(-5.65,5.8) 3(-5.65,4.8) 4(-5.65,3.8) 5(-5.65,2.8) 6(-5.65,1.8) 7(-5.65,0.8) 8(-5.65,-0.2) 9(-5.65,-1.2) 10(-5.65,-2.2) 11(-5.65,-3.2) 12(-5.65,-4.2) 13(-5.65,-5.2) 14(-5.65,-6.2) 23(5.65,-6.2) 24(5.65,-5.2) 25(5.65,-4.2) 26(5.65,-3.2) 27(5.65,-2.2) 28(5.65,-1.2) 29(5.65,-0.2) 30(5.65,0.8) 31(5.65,1.8) 32(5.65,2.8) 33(5.65,3.8) 34(5.65,4.8) 35(5.65,5.8) 36(5.65,6.8)
  oval 0.6x2.4 smd: 15(-3.5,-6.7) 16(-2.5,-6.7) 17(-1.5,-6.7) 18(-0.5,-6.7) 19(0.5,-6.7) 20(1.5,-6.7) 21(2.5,-6.7) 22(3.5,-6.7)
PinHeader_1x03_P2.54mm_Vertical
  rect 1.7x1.7 hole 1: 1(0,0)
  round 1.7 hole 1: 2(0,-2.54) 3(0,-5.08)
PinHeader_2x06_P2.54mm_Vertical
  rect 1.7x1.7 hole 1: 1(0,0)
  round 1.7 hole 1: 2(2.54,0) 3(0,-2.54) 4(2.54,-2.54) 5(0,-5.08) 6(2.54,-5.08) 7(0,-7.62) 8(2.54,-7.62) 9(0,-10.16) 10(2.54,-10.16) 11(0,-12.7) 12(2.54,-12.7)
QFN50P500X500X100-33N-D
  rect 0.8x0.3 smd: 1(-2.5,1.75) 2(-2.5,1.25) 3(-2.5,0.75) 4(-2.5,0.25) 5(-2.5,-0.25) 6(-2.5,-0.75) 7(-2.5,-1.25) 8(-2.5,-1.75) 17(2.5,-1.75) 18(2.5,-1.25) 19(2.5,-0.75) 20(2.5,-0.25) 21(2.5,0.25) 22(2.5,0.75) 23(2.5,1.25) 24(2.5,1.75)
  rect 0.3x0.8 smd: 9(-1.75,-2.5) 10(-1.25,-2.5) 11(-0.75,-2.5) 12(-0.25,-2.5) 13(0.25,-2.5) 14(0.75,-2.5) 15(1.25,-2.5) 16(1.75,-2.5) 25(1.75,2.5) 26(1.25,2.5) 27(0.75,2.5) 28(0.25,2.5) 29(-0.25,2.5) 30(-0.75,2.5) 31(-1.25,2.5) 32(-1.75,2.5)
  rect 3.8x3.8 smd: 33(0,0)
QFN-40-1EP_5x5mm_P0.4mm_EP3.6x3.6mm
  rrect 0.97x0.97 smd: (-1.2,1.2) (-1.2,0) (-1.2,-1.2) (0,1.2) (0,0) (0,-1.2) (1.2,1.2) (1.2,0) (1.2,-1.2)
  rrect 0.825x0.25 smd: 1(-2.438,1.8) 2(-2.438,1.4) 3(-2.438,1) 4(-2.438,0.6) 5(-2.438,0.2) 6(-2.438,-0.2) 7(-2.438,-0.6) 8(-2.438,-1) 9(-2.438,-1.4) 10(-2.438,-1.8) 21(2.438,-1.8) 22(2.438,-1.4) 23(2.438,-1) 24(2.438,-0.6) 25(2.438,-0.2) 26(2.438,0.2) 27(2.438,0.6) 28(2.438,1) 29(2.438,1.4) 30(2.438,1.8)
  rrect 0.25x0.825 smd: 11(-1.8,-2.438) 12(-1.4,-2.438) 13(-1,-2.438) 14(-0.6,-2.438) 15(-0.2,-2.438) 16(0.2,-2.438) 17(0.6,-2.438) 18(1,-2.438) 19(1.4,-2.438) 20(1.8,-2.438) 31(1.8,2.438) 32(1.4,2.438) 33(1,2.438) 34(0.6,2.438) 35(0.2,2.438) 36(-0.2,2.438) 37(-0.6,2.438) 38(-1,2.438) 39(-1.4,2.438) 40(-1.8,2.438)
  rect 3.6x3.6 smd: 41(0,0)
R_0201_0603Metric
  rrect 0.318x0.36 smd: (-0.345,0) (0.345,0)
  rrect 0.46x0.4 smd: 1(-0.32,0) 2(0.32,0)
R_0402_1005Metric
  rrect 0.54x0.64 smd: 1(-0.51,0) 2(0.51,0)
R_0603_1608Metric
  rrect 0.8x0.95 smd: 1(-0.825,0) 2(0.825,0)
R_1206_3216Metric
  rrect 1.125x1.75 smd: 1(-1.462,0) 2(1.462,0)
SOP50P310X90-8N
  rect 0.85x0.3 smd: 1(-1.575,0.75) 2(-1.575,0.25) 3(-1.575,-0.25) 4(-1.575,-0.75) 5(1.575,-0.75) 6(1.575,-0.25) 7(1.575,0.25) 8(1.575,0.75)
SOP65P640X120-8N
  rect 1.475x0.45 smd: 1(-2.938,0.975) 2(-2.938,0.325) 3(-2.938,-0.325) 4(-2.938,-0.975) 5(2.938,-0.975) 6(2.938,-0.325) 7(2.938,0.325) 8(2.938,0.975)
SOT-23-5
  rrect 1.325x0.6 smd: 1(-1.137,0.95) 2(-1.137,0) 3(-1.137,-0.95) 4(1.137,-0.95) 5(1.137,0.95)
SOT-23-6
  rrect 1.325x0.6 smd: 1(-1.137,0.95) 2(-1.137,0) 3(-1.137,-0.95) 4(1.137,-0.95) 5(1.137,0) 6(1.137,0.95)
SOT-523
  rrect 0.51x0.4 smd: 1(-0.645,0.5) 2(-0.645,-0.5) 3(0.645,0)
SRF2012-900YA
  rrect 0.75x0.4 smd: 1(-0.95,-0.5) 2(0.9,-0.5) 3(0.9,0.35) 4(-0.95,0.35)
Tag-Connect_TC2050-IDC-FP_2x05_P1.27mm_Vertical
  round 2.375 hole 2.375 unplated: (-3.81,2.54) (-3.81,-2.54) (1.905,2.54) (1.905,-2.54)
  round 0.991 hole 0.991 unplated: (-3.81,0) (3.81,1.016) (3.81,-1.016)
  round 0.787 smd: 1(-2.54,-0.635) 2(-1.27,-0.635) 3(0,-0.635) 4(1.27,-0.635) 5(2.54,-0.635) 6(2.54,0.635) 7(1.27,0.635) 8(0,0.635) 9(-1.27,0.635) 10(-2.54,0.635)
TestPoint_Pad_1.0x1.0mm
  rect 1x1 smd: 1(0,0)
TLV62595DMQR
  rrect 0.6x0.25 smd: 1(-0.7,0.5) 2(-0.7,0) 3(-0.7,-0.5)
  rrect 1x0.2 smd: 4(0.4,-0.5) 5(0.4,0) 6(0.4,0.5)
TPD1E1B04DPYR
  rrect 0.4x0.5 smd: 1(-0.4,0) 2(0.4,0)
USB_C_Receptacle_HRO_TYPE-C-31-M-12
  round 0.65 hole 0.65 unplated: (-2.89,2.6) (2.89,2.6)
  rect 0.6x1.45 smd: A1(-3.25,4.045) A4(-2.45,4.045) A9(2.45,4.045) A12(3.25,4.045) B1(3.25,4.045) B4(2.45,4.045) B9(-2.45,4.045) B12(-3.25,4.045)
  rect 0.3x1.45 smd: A5(-1.25,4.045) A6(-0.25,4.045) A7(0.25,4.045) A8(1.25,4.045) B5(1.75,4.045) B6(0.75,4.045) B7(-0.75,4.045) B8(-1.75,4.045)
  oval 1x2.1 hole 0.6x1.7: S1(-4.32,3.13) S1(4.32,3.13)
  oval 1x1.6 hole 0.6x1.2: S1(-4.32,-1.05) S1(4.32,-1.05)
USON-10_2.5x1.0mm_P0.5mm
  rrect 0.55x0.3 smd: 1(-0.385,1) 2(-0.385,0.5) 3(-0.385,0) 4(-0.385,-0.5) 5(-0.385,-1) 6(0.385,-1) 7(0.385,-0.5) 8(0.385,0) 9(0.385,0.5) 10(0.385,1)
WSON-6-1EP_2x2mm_P0.65mm_EP1x1.6mm
  rrect 0.81x0.64 smd: (0,0.4) (0,-0.4)
  rrect 0.375x0.4 smd: 1(-0.887,0.65) 2(-0.887,0) 3(-0.887,-0.65) 4(0.887,-0.65) 5(0.887,0) 6(0.887,0.65)
  rect 1x1.6 smd: 7(0,0)

## Nets
/Power Circuitry [3]/VDD1P8: C3018.1 U3001.14
/Power Circuitry [3]/VDD_3V3_EN: R3011.2 U3001.17 U3002.1
/Power Circuitry [3]/VDD_3V3_FB: C3020.1 R3012.1 R3014.1 U3002.3
/Power Circuitry [3]/VDD_3V3_PG: 3V3_PG.1 R3010.2 U3002.2
/Power Circuitry [3]/VDD_3V3_SW: L3004.1 U3002.5
/Power Circuitry [3]/VDD_SoC_VPP: R3008.2 R3009.1 U1002.J8
/Power Circuitry [3]/VDDA_SYS_MON: R3001.2 R3002.1 U1002.H10
DVDD3V3_ETH: 3V3_ETH.1 C5016.1 C5017.1 FB5003.2 R5022.2 R5029.1 R5031.1 U5001.14 U5002.29
